# Altium PCB GPRS-ADM2483-V1.0_______中科院TF卡.PcbDoc (part 2 of 3) (continued)
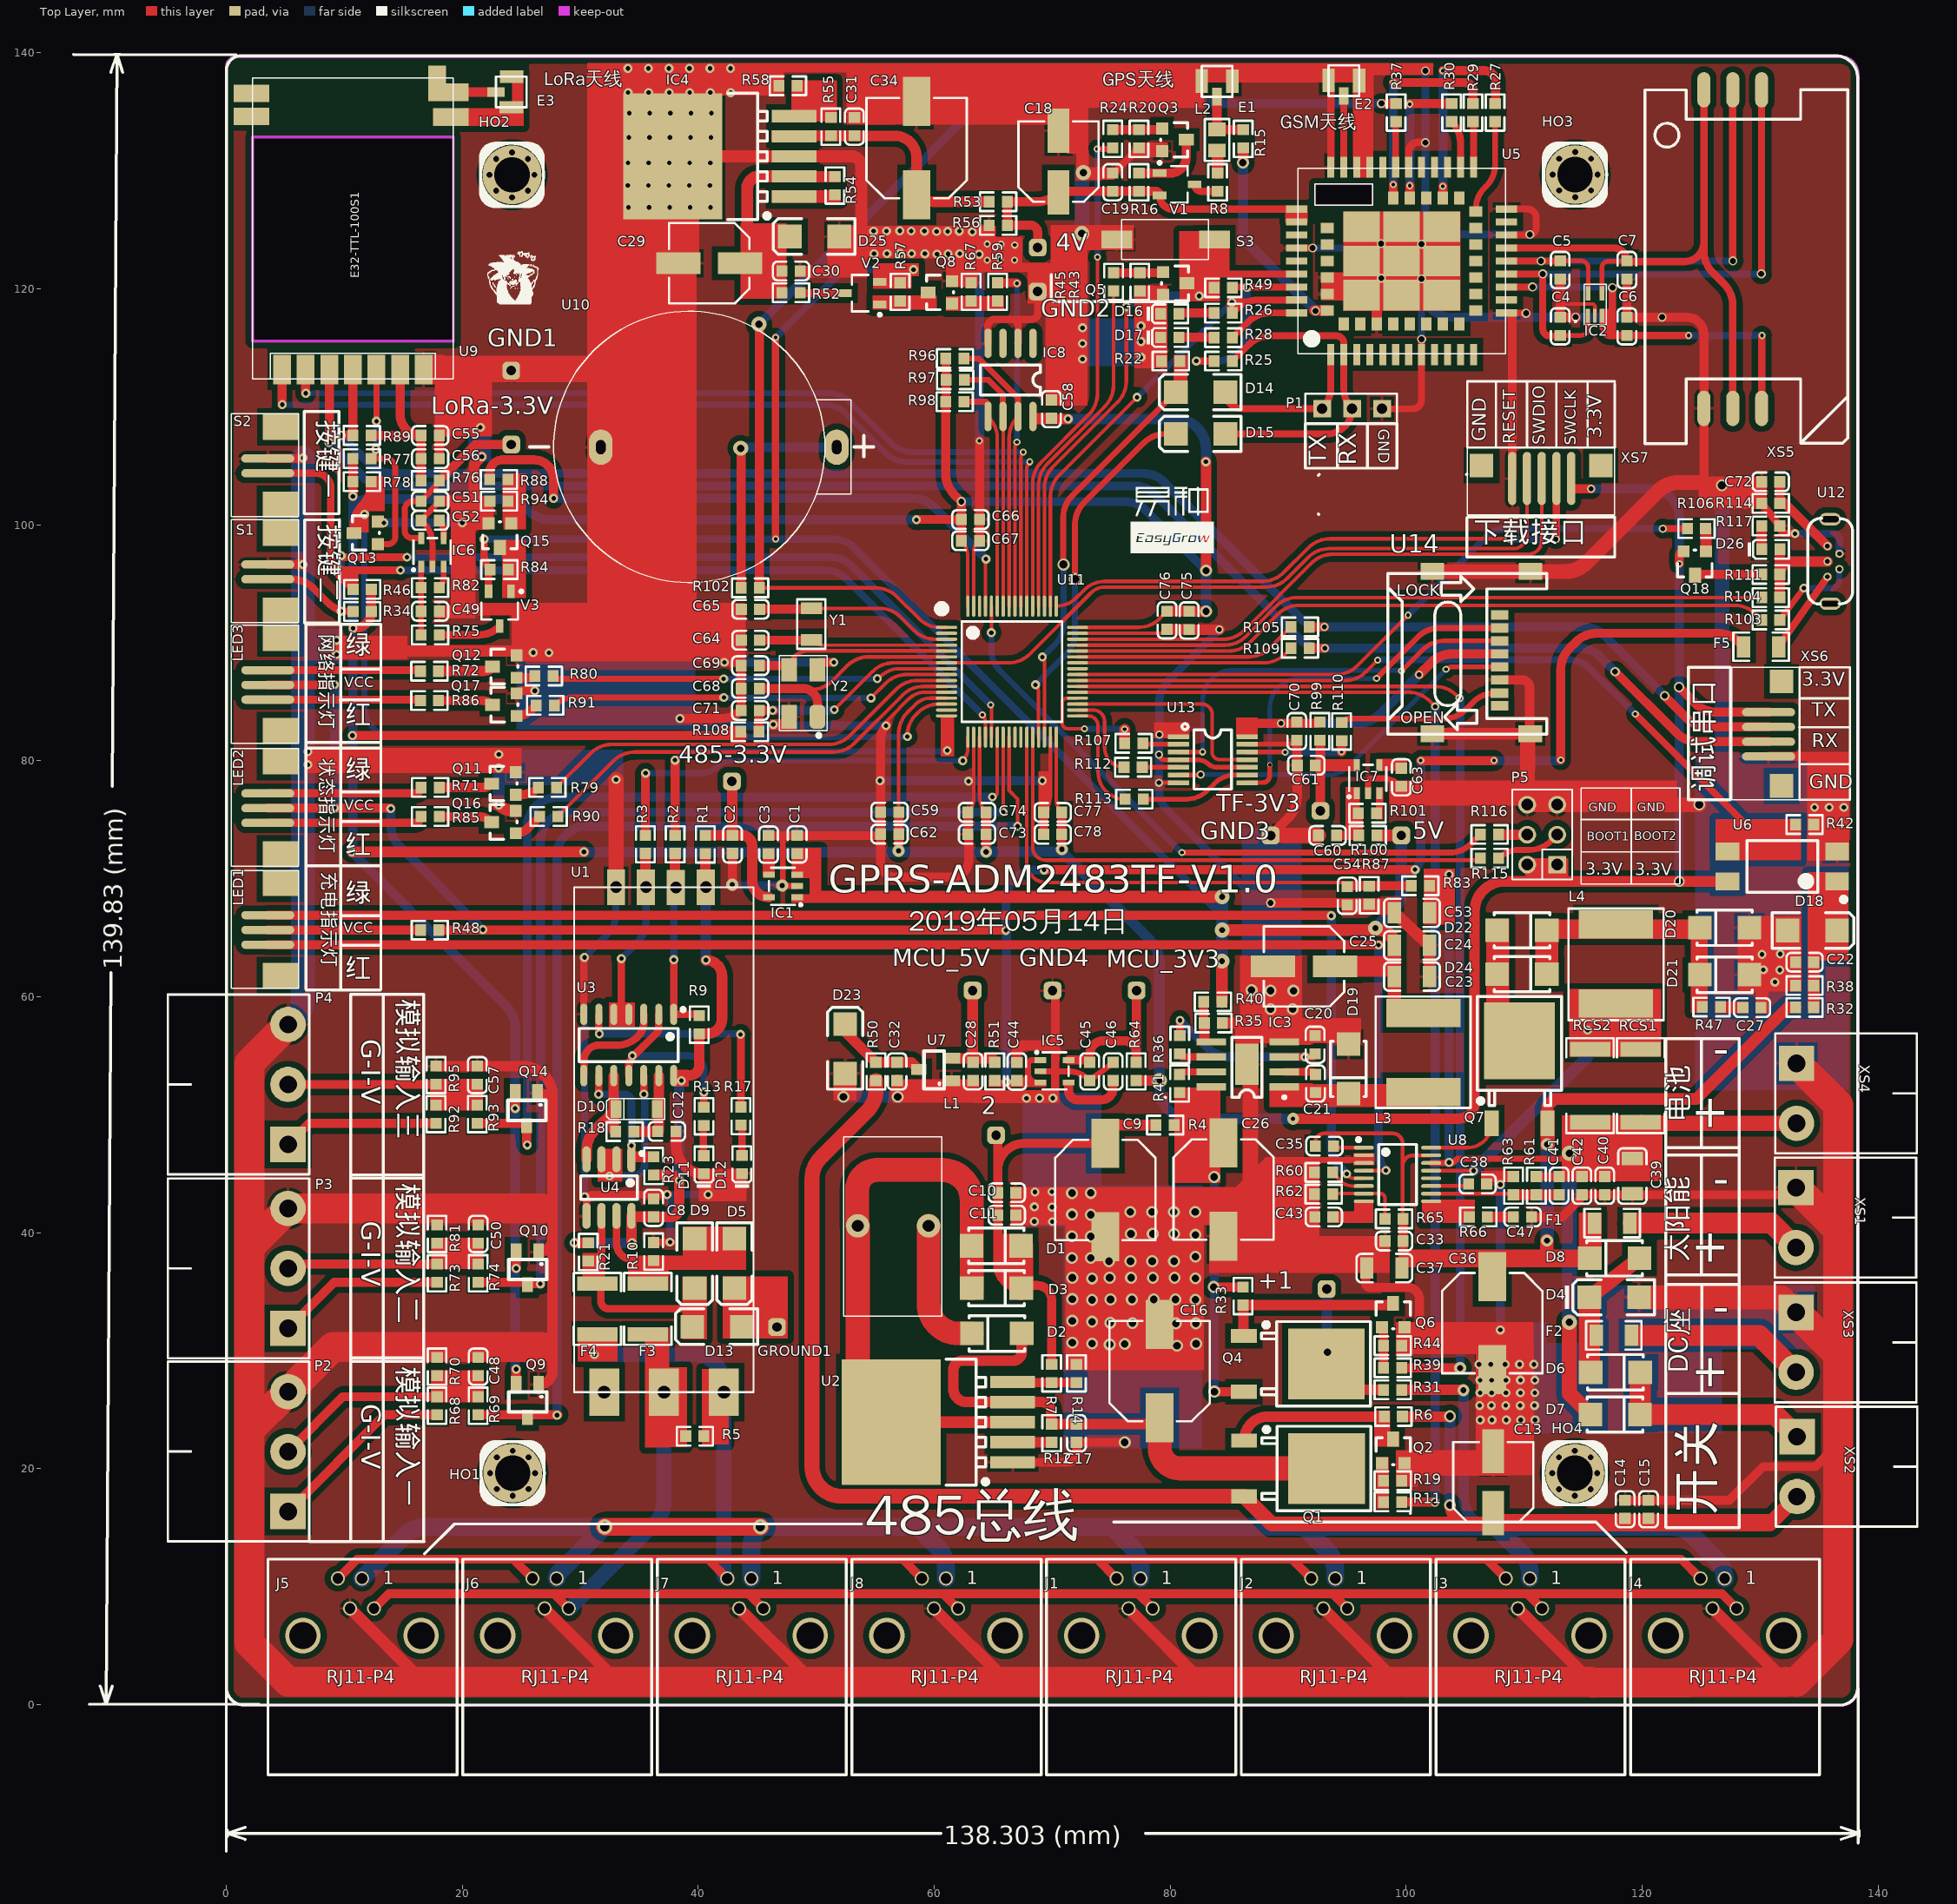
[diagram p0: Top Layer view]
## Nets (pads, with @x,y where several pads share a name; then routed paths per layer and width w, separated by ;. In a path a pad name is that pad's centre, name@x,y a point inside that pad or via, vN(x,y) a via of type N, cw(c..) or ccw(c..) an arc to the next point about the centre after c; other vN are vias at no path point) (continued)
  Top Layer w0.305: 55.538,82.268 cw(c58.041,81.835) 56.245,83.631 57.842,85.228 cw(c59.208,83.863) 59.208,85.794 U11.12@61.049,85.794 ; C74.1@62.861,75.619 ccw(c61.684,76.796) 63.349,76.796 U11.18@63.349,81.994 ; U11.63@63.349,93.094 63.349,97.619 cw(c64.854,97.619) C67.1@63.79,98.683 ; C77.2@69.278,75.613 ccw(c67.9,76.991) 69.849,76.991 U11.31@69.849,81.994 ; U11.47@72.149,90.794 C76.2@79.738,90.794 ; 113.058,118.717 113.058,118.705 115.775,118.705 cw(c115.775,118.475) 116.006,118.475 IC2.2@116.006,117.713
  Top Layer w0.4: v6(79.041,78.136) U13.7@80.721,78.136 ; v6(79.045,80.518) ccw(c79.477,80.518) 79.477,80.086 U13.4@80.721,80.086 82.246,80.086 cw(c82.246,78.544) 83.1,79.829 cw(c82.246,78.544) 83.337,79.635 ccw(c84.017,80.701) 84.017,79.436 U13.10@86.512,79.436 ; U13.13@86.512,81.386 89.924,81.386 ccw(c89.924,82.536) C70.2@90.736,81.723
  Top Layer w0.5: IC7.2@96.774,77.241 96.774,78.105 cw(c97.18,78.105) 97.18,78.511 97.918,78.511 cw(c97.918,76.143) C63.1@99.593,77.818
  Top Layer w0.508: IC6.2@17.47,96.466 17.47,98.352 ccw(c14.93,98.352) 16.726,100.148 C52.1@16.51,100.364 C51.1@18.05,101.949 ; 47.254,73.652 ccw(c47.254,73.571) 47.173,73.571 47.173,69.914 ccw(c47.707,69.914) 47.707,69.38 IC1.2@48.388,69.38 ; IC5.2@68.995,53.672 71.345,53.672 cw(c71.345,51.132) 73.141,52.928 C45.1@73.182,52.887 C46.1@75.173,54.427 ; C26.2@84.529,39.696 84.529,42.477 88.207,46.155 96.327,46.155 ; IC3.4@89.677,56.165 91.767,56.165 ccw(c91.767,56.691) C20.2@92.292,56.691
  Top Layer w0.584: U3.7@30.307,58.502 v1@30.307,63.237 ; U5.37@90.717,123.451 v4@92.154,123.451 ; P1.1@97.96,109.836 ccw(c97.982,109.836) 97.982,109.815 100.547,109.815 ccw(c100.547,110.585) 101.317,110.585 U5.8@101.317,114.401 v4(101.317,115.722) ; U5.19@108.517,124.551 110.418,124.551 ccw(c110.418,125.156) 111.022,125.156 111.022,126.011 ccw(c110.282,126.011) 110.282,126.751 U5.21@108.517,126.751 ; U5.13@109.055,117.951 110.128,117.951 cw(c110.128,117.918) v4(110.162,117.918)
  Top Layer w0.635: U4.5@30.532,41.413 30.532,42.621 cw(c31.144,42.621) 31.144,43.233 37.466,43.233 ccw(c37.466,43.268) v1@37.482,43.236 ; R10.1@36.217,39.159 v1@37.69,39.159 ; IC4.0@37.834,131.222 ccw(c37.834,133.073) IC4.0@39.686,133.073 ; IC8.4@64.561,115.37 64.561,116.836 cw(c65.127,116.836) 65.127,117.402 66.543,117.402 ; IC8.2@67.101,115.37 67.112,115.37 67.112,116.833 ccw(c66.543,116.833) 66.543,117.402 ; GND2.1@68.77,119.765 68.784,119.765 68.784,117.924 cw(c68.262,117.924) 68.262,117.402 66.543,117.402 ; C19.1@75.134,129.795 ccw(c75.134,129.984) 75.267,129.851 R20.2@77.357,131.94 ; E2.1@93.342,137.291 cw(c93.342,137.017) 93.617,137.017 U5.33@93.617,130.301 ; U5.31@95.817,130.301 95.817,137.141 cw(c95.942,137.141) 95.942,137.266 cw(c95.942,136.291) 96.917,136.291 U5.30@96.917,130.301 ; U5.27@100.217,130.301 100.217,131.587 cw(c101.057,131.587) 101.057,132.427 v4@101.632,132.427 ; R114.1@130.136,101.815 R117.2@131.676,99.895 ccw(c132.329,99.895) 132.329,99.242 v1(132.962,99.242)
  Top Layer w0.762: S1.1@3.516,96.628 6.502,96.628 v1(6.505,96.625) ; S2.1@3.516,105.612 6.456,105.612 v1(6.505,105.661) ; U9.7@16.729,113.16 U9.7@17.306,112.583 ; C56.2@18.05,105.6 C55.2@18.05,107.564 18.05,112.15 ; Q17.2@24.603,85.696 cw(c25.163,85.136) 25.163,85.928 v1(26.152,85.928) ; v1(38.447,83.571) 41.993,83.571 ccw(c41.993,85.899) C71.2@43.639,84.253 C69.2@43.639,88.331 ; v1(42.212,88.331) C69.2@43.639,88.331 ; C2.1@42.906,72.134 42.906,69.339 ccw(c42.946,69.339) v9@42.946,69.3 ; C65.2@43.662,92.833 ccw(c43.717,92.778) 43.639,92.778 C69.2@43.639,88.331 ; C3.1@46.016,73.652 47.254,73.652 55.146,73.652 ccw(c55.146,74.083) C62.2@55.451,73.779 ; Y2.2@50.284,88.331 v1(51.498,88.331) ; v1@56.027,83.079 ccw(c57.418,81.688) 55.538,82.268 ccw(c57.418,81.688) 55.451,81.688 C62.2@55.451,73.779 ; C74.1@62.861,75.619 C73.1@62.861,73.762 cw(c62.861,73.708) 62.915,73.708 62.915,71.506 cw(c61.534,71.506) 61.534,70.125 56.683,70.125 cw(c56.683,71.357) 55.451,71.357 C62.2@55.451,73.779 ; C67.1@63.839,98.634 C66.1@63.839,100.441 v3(63.839,107.112) ; U2.1@66.651,20.53 71.278,20.53 ccw(c71.278,21.343) 72.09,21.343 72.09,22.196 ccw(c72.061,22.196) C17.1@72.061,22.225 v2@76.156,22.225 ; C78.2@69.278,73.756 C77.2@69.278,75.613 ; GND4.1@70.032,60.512 cw(c70.032,60.266) 70.277,60.266 70.277,55.473 70.277,54.707 ; C26.2@84.529,39.696 84.946,39.28 96.62,39.28 ; R60.1@92.24,45.097 92.24,41.336 C43.1@92.255,41.321 ; C33.2@98.21,39.28 96.62,39.28 ; 101.13,31.423 101.13,34.347 ccw(c100.128,34.347) 100.128,35.349 96.953,35.349 cw(c96.953,35.734) 96.569,35.734 96.569,36.889 cw(c96.67,36.889) C37.2@96.67,36.991 96.67,39.229 96.62,39.28 ; XS7.1@108.996,103.921 U5.13@108.996,117.777 ; C47.1@110.64,41.321 113.219,41.321 115.104,43.205 C40.1@116.834,43.205 132.435,43.205 ccw(c132.435,43.814) XS1.1@133.044,43.814 ; C5.2@113.048,120.816 C5.2@113.058,120.816 113.058,118.717 ; 113.058,118.705 C4.2@113.058,117.579 v4@114.449,117.579 ; C14.1@118.561,17.319 127.4,17.319 130.239,20.158 134.687,20.158 136.209,21.679 ; C7.1@118.712,120.816 C6.1@118.712,117.579 123.82,117.579 cw(c123.82,116.159) 125.24,116.159 XS5.4@125.24,109.859 125.24,103.581 125.24,103.168 cw(c125.171,103.168) 125.171,103.099 ; XS6.4@130.724,80.358 136.469,80.358
  Top Layer w0.8: GND3.1@88.519,73.653 88.526,73.66 90.028,75.162 ccw(c88.232,76.958) 90.772,76.958 C61.1@90.772,79.604 cw(c90.772,79.639) 90.736,79.639 C70.2@90.736,81.723 ; U14.6@107.932,86.846 109.8,86.846 cw(c109.8,86.182) 110.465,86.182 110.465,82.337 ccw(c110.524,82.337) U14.9@110.524,82.277
  Top Layer w0.889: R95.1@17.785,54.115 25.111,54.115 cw(c25.111,51.575) 27.651,51.575 27.651,50.566 ; C51.1@18.044,101.99 20.991,101.99 ; v1@21.657,105.768 20.991,105.101 20.991,101.99 ; Q15.2@22.234,100.106 22.234,101.881 cw(c22.344,101.881) R94.1@22.344,101.99 20.991,101.99 ; Q14.1@26.386,51.832 cw(c26.386,50.566) 27.651,50.566 ; Q9.1@26.464,27.112 ccw(c26.464,28.299) 27.651,28.299 27.651,39.536 ; Q10.1@26.464,38.348 ccw(c26.464,39.536) 27.651,39.536 ; C12.2@38.117,48.576 38.117,47.347 ccw(c40.482,47.347) D11.K@40.482,44.981 43.681,44.981 ccw(c43.681,45.002) D12.K@43.702,45.002 ; C44.1@67.007,54.424 67.007,55.24 cw(c67.625,55.24) 67.625,55.859 69.765,55.859 cw(c69.765,55.325) 70.277,55.473 cw(c69.765,55.325) 70.298,55.325 ; C76.2@79.738,91.13 81.569,91.13 cw(c81.569,91.067) C75.2@81.613,91.111 84.176,91.111 v6(84.164,91.099) ; U5.45@97.517,117.001 97.517,120.512 cw(c97.902,120.512) v4(97.902,120.898) ; R114.1@130.136,101.815 C72.1@130.136,103.639 ; 27.651,39.536 27.651,50.566
  Top Layer w1: U14.12@102.224,82.277 U14.9@110.524,82.277
  Top Layer w1.016: J5.4@10.481,8.142 16.72,1.903 16.774,1.903 ; v1(23.1,76.248) ccw(c24.291,77.439) 24.291,75.755 Q16.2@24.529,75.755 ; J6.4@26.98,8.142 33.219,1.903 33.529,1.903 ; IC4.0@37.834,131.222 IC4.3@48.134,131.222 52.981,131.222 cw(c52.981,130.395) 53.808,130.395 53.808,124.132 ; J7.4@43.479,8.142 49.719,1.903 49.846,1.903 ; C32.1@56.849,52.887 56.849,51.565 v2(56.906,51.508) ; J8.4@59.978,8.142 66.218,1.903 66.329,1.903 ; J1.4@76.477,8.142 82.717,1.903 83.294,1.903 ; J2.4@92.976,8.142 99.216,1.903 99.801,1.903 ; C53.1@99.005,67.098 C24.1@101.985,64.341 C23.1@101.985,61.699 ; J3.4@109.475,8.142 115.715,1.903 115.866,1.846 ; J4.4@125.975,8.142 132.214,1.903 133.079,1.903
  Top Layer w1.27: U1.4@33.034,69.273 v1(33.034,78.398) ; GND3.1@88.526,73.66 C60.2@92.575,73.66 ; U14.11@102.224,96.037 U14.10@110.532,96.037 113.502,96.037 ccw(c113.502,98.577) 115.298,96.781 121.354,102.837 cw(c123.15,101.041) 123.15,103.581 125.24,103.581 ; 109.453,77.074 P5.6@110.262,76.264 ; U14.9@110.312,82.118 P5.6@110.262,76.264 ; v15(124.836,76.264) P5.5@112.802,76.264 P5.6@110.262,76.264 ; v15@126.289,103.353 cw(c126.289,102.87) v15@126.771,102.87 ; v15(126.771,103.322) cw(c126.797,103.322) v15@126.797,103.347
  Top Layer w2.032: D4.1@119.735,34.511 131.786,34.511 XS3.1@133.063,33.234
  Top Layer w2.54: P4.3@5.23,57.638 1.964,54.372 1.964,38.774 ; 16.72,1.903 5.243,1.903 1.964,5.181 1.964,23.255 ; 16.774,1.903 33.219,1.903 ; 26.735,30.314 9.023,30.314 P2.3@5.23,26.521 1.964,23.255 ; 26.772,42.041 P3.3@5.23,42.041 1.964,38.774 ; 33.529,1.903 49.719,1.903 ; 49.846,1.903 66.218,1.903 ; 66.329,1.903 82.717,1.903 ; 83.294,1.903 99.216,1.903 ; 99.801,1.903 115.715,1.903 ; 115.866,1.846 132.214,1.903 ; XS1.1@133.044,43.814 136.615,40.244 ; XS3.1@133.063,33.234 136.615,29.682 ; 133.079,1.903 136.615,5.439 136.615,29.682 ; XS4.1@133.097,54.343 136.615,50.825 136.615,40.244 ; 1.964,23.255 1.964,38.774 ; 136.615,29.682 136.615,40.244
  Bottom Layer w0.584: v1@30.359,42.955 v1(30.359,63.327) 32.29,65.257 ccw(c30.494,67.053) 33.034,67.053 U1.4@33.034,69.273 ; v4(92.073,123.455) 97.521,123.455 ccw(c97.521,123.82) v4(97.887,123.82) ; v4(101.317,115.722) 101.317,119.978
  Bottom Layer w0.635: v1(37.609,39.193) 37.609,42.972 ccw(c37.36,42.972) v1(37.36,43.221) 40.839,43.221 ccw(c40.839,43.245) v1@40.863,43.245 ; v4(101.312,123.773) cw(c102.131,123.773) 101.632,124.422 ; v4(101.633,138.476) v4(101.632,132.382) 101.632,124.422 ; v4(110.486,124.592) 102.131,124.592 ccw(c102.131,123.773) 101.632,124.422 ; v1(132.962,99.242) 132.962,99.258 136.163,99.258 cw(c136.163,98.701) 136.72,98.701 U12.4@136.72,97.536
  Bottom Layer w0.7: v6@79.045,78.136 79.045,77.557 ccw(c81.585,77.557) 79.789,75.761 87.775,67.775 cw(c85.979,65.978) 88.519,65.978 88.519,65.634 ; v6@79.045,78.156 v6(79.045,80.518) v6@79.045,82.229 ; v6(79.077,82.22) 79.077,84.96 cw(c81.617,84.96) 79.82,86.756 v6(84.164,91.099)
  Bottom Layer w0.762: v1(13.361,100.16) v1(20.007,100.16) ; 38.946,82.957 v1(55.918,82.957) ; v1(42.212,88.331) v1(51.498,88.331) ; v9(42.883,69.484) ccw(c42.956,69.484) 42.956,69.411 v9(47.117,69.411) ; v1(55.407,78.303) v1(69.164,78.303) ; v3(63.839,107.112) v1@63.839,122.925 ; v4(101.312,120.835) 101.312,120.128 ccw(c103.852,120.128) 101.317,119.978 ccw(c103.852,120.128) 103.852,117.588 v4(114.377,117.588) v4(121.693,117.588) ; v1(107.981,31.748) v1(107.981,44.074)
  Bottom Layer w1.016: v1(23.1,76.248) v1@23.1,80.531 ; v2(52.311,51.508) v2(56.906,51.508) ; v2(76.156,22.225) v2(76.156,30.563)
  Bottom Layer w1.27: v7(72.516,124.681) 72.516,129.536 cw(c72.939,129.536) v7(72.64,129.835) ; v2(88.519,60.503) 88.519,65.634 ; 88.519,65.978 v11(88.519,67.945) GND3.1@88.519,73.653 ; 126.771,77.775 v15(126.771,103.322)
  Bottom Layer w2.032: P4.3@5.23,57.638 5.761,58.169 ccw(c3.965,59.965) 6.505,59.965 v1(6.505,96.625) v1(6.505,105.661)
  other v1: 106.285,24.121 107.274,24.121 108.493,24.121 109.713,24.121 110.932,24.121 106.24,25.344 107.229,25.344 108.448,25.344 109.667,25.344 110.886,25.344 106.262,26.419 107.251,26.419 108.47,26.419 109.69,26.419 110.909,26.419 106.262,27.495 107.251,27.495 108.47,27.495 109.69,27.495 110.909,27.495 106.184,28.832 107.173,28.832 108.393,28.832 109.612,28.832 110.831,28.832 70.019,40.918 68.486,40.945 69.992,42.153 68.499,42.18 30.379,43.057 40.84,43.22 68.54,43.443 69.979,43.456 67.821,51.383 68.934,51.397 70.06,51.396 131.258,61.232 131.67,62.256 130.281,62.27 130.162,63.584 131.713,63.622 134.623,76.042 135.864,76.042 137.106,76.042 62.909,78.255 23.086,79.381 6.918,79.657 23.1,80.531 6.918,80.771 46.359,83.061 9.338,88.995 27.354,89.14 26.012,89.169 9.338,90.204 21.658,105.768 21.542,108.248 72.567,114.025 77.534,114.189 72.567,115.356 77.534,115.519 72.567,116.686 77.534,116.85 63.809,122.925 60.239,122.938 61.174,122.951 54.903,122.965 55.998,122.979 58.092,122.979 59.213,122.965 62.166,122.97 57.119,122.992 63.233,124.817 60.202,124.851 61.137,124.864 54.866,124.878 55.961,124.891 58.055,124.891 59.176,124.878 62.129,124.883 57.082,124.905 34.093,126.901 35.833,126.901 37.573,126.901 39.312,126.901 41.052,126.901 34.028,128.766 35.768,128.766 37.507,128.766 39.247,128.766 40.986,128.766 34.061,130.664 35.8,130.664 37.54,130.664 39.279,130.664 41.019,130.664 34.126,132.824 35.866,132.824 37.605,132.824 39.345,132.824 41.085,132.824 34.159,134.886 35.898,134.886 37.638,134.886 39.378,134.886 41.117,134.886 34.061,136.621 35.8,136.621 37.54,136.621 39.279,136.621 41.019,136.621 42.759,136.621 34.042,138.68 35.782,138.68 37.521,138.68 39.261,138.68 41.001,138.68 42.74,138.68
  other v2: 80.583,30.411 74.881,30.51 82.197,30.576 73.386,30.601 71.708,30.673 80.492,32.3 82.179,32.3 76.807,32.33 74.924,32.352 73.386,32.446 71.708,32.518 73.386,34.291 82.137,34.307 74.944,34.331 76.758,34.331 78.603,34.331 80.448,34.331 71.708,34.363 73.386,36.105 82.137,36.12 71.708,36.177 74.872,36.177 76.686,36.177 78.531,36.177 80.376,36.177 74.825,37.567 76.638,37.567 78.483,37.567 80.328,37.567 71.681,37.847 73.266,37.855 82.137,37.965 73.266,39.668 71.681,39.692 82.137,39.81 76.68,39.893 78.525,39.893 80.339,39.893 73.266,41.513 71.681,41.537 76.624,41.753 78.47,41.753 80.315,41.753 82.128,41.753 71.681,43.351 73.266,43.358 88.519,58.94 90.385,58.94 90.452,60.499 86.901,60.549
  other v3: 64.48,122.434 66.818,122.434 65.598,122.478 66.832,123.698 65.67,123.771 64.494,123.799
GNSS_EN: R27.2 U5.59 | length 17.7
  Top Layer w0.762: U5.59@103.117,127.701 v3(103.117,128.671) ; v3(103.117,138.482) 106.66,138.482 cw(c106.66,137.559) 107.583,137.559 107.583,135.747 cw(c107.541,135.747) R27.2@107.541,135.706
  Bottom Layer w0.762: v3(103.117,128.671) v3(103.117,138.482)
GPRS_PWR_EN: R59.1 U11.56 | length 29.1
  Top Layer w0.305: U11.56@66.849,93.094 66.849,106.593 cw(c67.413,106.593) v3(67.014,106.991)
  Top Layer w0.762: R59.1@65.369,120.506 66.889,120.506 cw(c66.889,120.329) v3(67.014,120.454)
  Bottom Layer w0.508: v3(67.014,106.991) v3@67.014,120.454
GPRS_PWRKEY: R45.1 U11.52 | length 29.1
  Top Layer w0.305: U11.52@68.849,93.094 68.849,103.365 cw(c71.389,103.365) 69.593,105.161 74.456,110.024 ccw(c72.66,111.82) 75.2,111.82 R45.1@75.2,119.813
GPRS_RST: Q5.3 R49.2 S3.2 U5.39 U11.51 | length 48
  Top Layer w0.305: U11.51@69.349,93.094 69.349,103.146 cw(c71.889,103.146) 70.093,104.942 75.551,110.4 ccw(c73.755,112.196) 76.295,112.196 v1(76.295,118.477)
  Top Layer w0.584: Q5.3@81.43,120.468 81.47,120.507 cw(c83.266,118.711) 83.266,121.251 83.771,121.251 ; R49.2@83.737,120.077 ccw(c83.737,120.11) 83.771,120.11 83.771,121.251 ; S3.2@83.771,124.164 83.771,121.251 ; U5.39@90.717,121.251 83.771,121.251
  Bottom Layer w0.762: v1(76.295,118.477) 76.475,118.657 cw(c78.271,116.861) 78.271,119.401 v1@82.365,119.401
  other v1: 82.463,119.38
GPRS_RX: D14.2 R22.2 U11.30 | length 33.9
  Top Layer w0.305: v1@69.188,88.897 cw(c68.801,88.509) 69.349,88.509 U11.30@69.349,81.994
  Top Layer w0.508: v16(70.968,96.628) cw(c71.029,96.689) 70.942,96.689 70.942,100.648 cw(c73.482,100.648) 71.686,102.444 D14.2@80.484,111.242
  Bottom Layer w0.508: v1(69.17,88.784) 70.224,89.837 ccw(c68.428,91.634) 70.968,91.634 v16(70.968,96.628)
GPRS_TX: D15.2 U11.29 | length 31.5
  Top Layer w0.305: v1(68.584,86.43) cw(c67.946,85.791) 68.849,85.791 U11.29@68.849,81.994
  Top Layer w0.508: v16(71.933,95.392) 71.933,100.04 cw(c74.473,100.04) 72.677,101.836 77.792,106.951 cw(c79.588,105.155) 79.588,107.695 D15.2@80.484,107.695
  Bottom Layer w0.508: v1(68.584,86.43) 71.189,89.035 ccw(c69.393,90.831) 71.933,90.831 v16(71.933,95.392)
GPS_RXD: R29.1 U5.22 | length 3.9
  Top Layer w0.601: R29.1@105.671,134.166 cw(c105.563,134.057) 105.717,134.057 U5.22@105.717,130.301
GPS_TXD: R30.1 U5.23 | length 4.1
  Top Layer w0.601: R30.1@103.856,134.166 103.873,134.149 cw(c102.077,132.353) 104.617,132.353 U5.23@104.617,130.301
GROUND: D5.2 D13.1 GROUND1.1
I1: Q9.3 R69.2 U11.24 | length 102.5
  Top Layer w0.305: U11.24@66.349,81.994 66.349,77.471 67.067,76.754 v1(67.067,74.445)
  Top Layer w0.762: R69.2@21.354,24.548 v1@28.1,24.548
  Bottom Layer w0.762: v1(28.027,24.525) 28.027,71.925 cw(c30.547,71.925) 30.547,74.445 v1(67.067,74.445)
I2: Q10.3 R74.2 U11.23 | length 89.8
  Top Layer w0.305: U11.23@65.849,81.994 65.849,75.631 v1(65.858,75.631)
  Top Layer w0.762: R74.2@21.354,35.784 25.396,35.784 cw(c25.396,35.656) 25.524,35.656 26.532,35.656 v1@26.532,35.66
  Bottom Layer w0.762: v1(26.623,35.649) 26.623,73.13 cw(c29.124,73.13) 29.124,75.631 v1(65.858,75.631) ccw(c65.858,75.651) v1@65.878,75.651
I3: Q14.3 R93.2 U11.22 | length 79.1
  Top Layer w0.305: v1(64.937,76.928) ccw(c64.937,77.341) 65.349,77.341 U11.22@65.349,81.994
  Top Layer w0.762: R93.2@21.275,49.268 25.317,49.268 cw(c25.317,49.139) 25.446,49.139 25.446,47.59 ccw(c25.671,47.59) v1(25.512,47.431)
  Bottom Layer w0.762: v1(25.512,47.431) 25.512,74.356 cw(c28.052,74.356) 28.052,76.896 v1@64.937,76.896
IIN1: C48.2 P2.2 R68.2 R69.1 R70.2 | length 14.6
  Top Layer w0.762: P2.2@5.23,21.441 9.877,26.088 R68.2@17.863,26.088
IIN2: C50.2 P3.2 R73.2 R74.1 R81.2 | length 12.8
  Top Layer w0.762: P3.2@5.23,36.961 5.594,37.324 R73.2@17.863,37.324
IIN3: C57.2 P4.2 R92.2 R93.1 R95.2 | length 16.1
  Top Layer w0.762: P4.2@5.23,52.558 21.275,52.558 C57.2@21.275,52.575
K1: R46.2 S2.2 U11.20 | length 78.3
  Top Layer w0.305: v3(64.079,83.876) cw(c63.428,83.225) 64.349,83.225 U11.20@64.349,81.994
  Top Layer w0.635: S2.2@3.516,104.362 7.628,104.362 cw(c7.628,103.142) 8.848,103.142 8.848,97.468 ; R46.2@10.75,94.514 9.592,95.672 cw(c11.388,97.468) 8.848,97.468 ; v1(14.764,96.136) 10.179,96.137 cw(c10.179,97.468) 8.848,97.468 ; v3(64.079,83.876) ccw(c64.11,83.906) v3@64.11,83.863
  Bottom Layer w0.635: v1(14.764,96.136) 50.767,96.136 cw(c50.767,93.596) 52.563,95.392 v3(64.079,83.876)
K2: R34.2 S1.2 U11.21 | length 75.8
  Top Layer w0.305: U11.21@64.849,81.994 v3@64.849,84.731
  Top Layer w0.635: S1.2@3.516,95.378 5.56,95.378 cw(c5.56,92.838) 7.356,94.634 8.604,93.386 ccw(c10.4,95.182) 10.4,92.642 R34.2@10.75,92.642 ; v1(9.727,97.373) ccw(c10.048,97.694) 10.048,97.24 v1(15.314,97.239)
  Bottom Layer w0.635: v1(9.727,92.669) v1(9.727,97.373) cw(c9.777,97.373) v1@9.741,97.409 ; v1(15.314,97.239) 51.238,97.239 cw(c51.238,94.699) 53.034,96.495 64.795,84.734 v3(64.795,84.731)
LED1: R79.1 U11.10 | length 36.5
  Top Layer w0.305: R79.1@27.983,77.726 30.883,80.625 cw(c32.679,78.829) 32.679,81.369 51.045,81.369 ccw(c51.045,83.909) 52.841,82.113 56.778,86.05 cw(c58.574,84.254) 58.574,86.794 U11.10@61.049,86.794
LED2: R90.1 U11.11 | length 37.2
  Top Layer w0.305: R90.1@28.097,75.263 32.819,79.984 cw(c34.615,78.188) 34.615,80.728 51.432,80.728 ccw(c51.432,83.268) 53.228,81.472 57.306,85.55 cw(c59.102,83.754) 59.102,86.294 U11.11@61.049,86.294
LED3: R80.1 U11.8 | length 33.3
  Top Layer w0.305: v1@55.439,87.123 cw(c57.059,85.504) 57.059,87.794 U11.8@61.049,87.794
  Top Layer w0.508: R80.1@27.693,87.171 ccw(c28.25,87.729) 28.25,86.941 v1(42.154,86.941)
  Bottom Layer w0.508: v1@42.154,86.95 v1(55.179,86.95)
LED4: R91.1 U11.9 | length 34.2
  Top Layer w0.305: v1(54.64,85.31) 55.88,86.55 cw(c57.676,84.754) 57.676,87.294 U11.9@61.049,87.294
  Top Layer w0.508: R91.1@27.8,84.683 cw(c29.43,83.053) 29.43,85.358 v1(42.178,85.358)
  Bottom Layer w0.508: v1@42.08,85.31 v1(54.64,85.31)
LoRa_AUX: Q13.3 R78.1 U11.14 | length 73.4
  Top Layer w0.305: v1(57.725,82.043) 57.725,82.12 cw(c60.265,82.12) 58.469,83.916 58.603,84.05 cw(c60.4,82.254) 60.4,84.794 U11.14@61.049,84.794
  Top Layer w0.762: Q13.3@10.821,99.287 10.821,99.879 cw(c13.221,99.879) 11.524,101.576 ccw(c9.728,103.372) 12.268,103.372 R78.1@12.268,103.647
  Bottom Layer w0.508: v1(11.71,100.873) 11.716,100.867 11.716,84.549 ccw(c14.256,84.549) 14.256,82.009 v1@57.725,82.009
LoRa_M0: U9.1 U11.54 | length 80.4
  Top Layer w0.305: U11.54@67.849,93.094 67.849,104.732 cw(c68.69,104.732) v3@68.095,105.327
  Top Layer w0.762: v1@4.729,110.178 U9.1@4.729,113.16
  Bottom Layer w0.508: v1(4.747,110.178) 32.619,110.178 cw(c32.619,110.13) 32.653,110.164 50.734,110.164 cw(c50.734,107.624) 52.53,109.42 55.88,106.071 ccw(c57.676,107.867) 57.676,105.327 v3(68.095,105.327)
LoRa_M1: U9.2 U11.55 | length 77.8
  Top Layer w0.305: U11.55@67.349,93.094 67.349,105.672 cw(c68.02,105.672) v3(67.546,106.147)
  Top Layer w0.762: v1@6.729,111.142 U9.2@6.729,113.16
  Bottom Layer w0.508: v1(6.74,111.142) 51.077,111.142 cw(c51.077,108.602) 52.873,110.398 56.381,106.891 ccw(c58.177,108.687) 58.177,106.147 v3(67.546,106.147)
LORA_PWR: R88.1 U11.61 | length 51.6
  Top Layer w0.279: U11.61@64.349,93.094 v1@64.349,96.763
  Top Layer w0.762: R88.1@22.333,103.83 22.333,104.427 cw(c23.401,104.427) 22.482,104.972 cw(c23.401,104.427) 22.856,105.346 cw(c23.401,104.427) 23.401,105.495 26.088,105.495 cw(c26.088,103.836) 26.671,105.39 cw(c26.088,103.836) 27.642,104.418 cw(c26.088,103.836) 27.748,103.836 v1(27.748,102.23)
  Bottom Layer w0.762: v1@27.696,102.209 cw(c27.747,102.158) v1(27.748,102.23) 58.194,102.23 cw(c58.194,99.69) 59.99,101.486 v1(64.389,97.087)
LoRa_RX: R109.2 U9.3 XS6.3 | length 139.5
  Top Layer w0.762: v13@8.729,106.969 U9.3@8.729,113.16 ; R109.2@91.829,89.586 R109.2@91.778,89.535 v6(93.116,89.535) ; v11(117.711,87.546) 117.723,87.546 122.917,82.352 ccw(c124.713,84.148) 124.713,81.608 XS6.3@130.724,81.608
  Bottom Layer w0.762: v13@8.742,106.895 11.609,104.029 ccw(c13.405,105.825) 13.405,103.285 76.969,103.285 cw(c76.969,100.745) 78.765,102.541 91.026,90.279 ccw(c92.822,92.075) 92.822,89.535 v6(93.116,89.535) 114.67,89.535 cw(c114.67,86.995) 116.466,88.791 v11(117.711,87.546)
  other v13: 8.711,106.969
LoRa_TX: R89.2 R105.2 U9.4 XS6.2 | length 138.6
  Top Layer w0.762: v13(9.738,107.562) 9.74,107.564 R89.2@10.728,107.564 10.728,113.159 U9.4@10.729,113.16 ; R105.2@91.778,91.338 v6(93.066,91.338) ; v11@121.907,85.484 123.789,83.602 ccw(c125.585,85.398) 125.585,82.858 XS6.2@130.724,82.858
  Bottom Layer w0.762: v13(9.738,107.562) 12.22,105.08 ccw(c13.977,106.837) 13.977,104.352 77.705,104.352 cw(c77.705,101.812) 79.501,103.608 86.881,96.228 91.052,92.057 ccw(c92.848,93.853) 92.848,91.313 92.873,91.338 v6(93.066,91.338) 115.026,91.338 115.051,91.313 cw(c115.051,88.773) 116.847,90.569 v11(121.92,85.496)
MISO: U11.35 U13.11 | length 18.4
  Top Layer w0.3: U11.35@72.149,84.794 82.683,84.794 cw(c82.683,83.911) 83.566,83.911 83.566,80.696 ccw(c84.176,80.696) 84.176,80.086 U13.11@86.512,80.086
MOSI: R107.1 U11.36 | length 10
  Top Layer w0.3: U11.36@72.149,85.294 71.231,85.294 ccw(c71.231,84.912) 70.849,84.912 70.849,83.2 ccw(c71.346,83.2) 71.346,82.702 v3(72.746,82.702)
  Top Layer w0.9: R107.1@76.141,81.472 v3(76.141,82.666)
  Bottom Layer w0.3: v3@76.105,82.702 cw(c76.105,82.666) v3(76.141,82.666)
  Bottom Layer w0.5: v3(72.746,82.702) v3@76.105,82.702
Net1_1: 485-3.3V.1 C2.2 IC1.5 R1.1 | length 14
  Top Layer w0.889: R1.1@40.606,73.665 40.606,73.674 C2.2@42.906,73.674 ; 485-3.3V.1@42.87,77.955 42.87,73.762 ccw(c42.995,73.762) C2.2@42.906,73.674 ; IC1.5@45.988,68.43 cw(c45.988,69.856) 44.562,69.856 44.562,72.832 ccw(c43.72,72.832) 43.72,73.674 C2.2@42.906,73.674
Net2_1: 2.1 C9.1 C10.2 C11.2 D1.2 D3.2 R4.1 R7.2 | length 40.9
  Top Layer w0.762: 2.1@65.244,48.249 cw(c65.244,48.109) 65.385,48.109 65.385,45.292 ; R7.2@69.955,28.828 69.955,34.295 ccw(c68.722,34.295) 68.722,35.528 67.628,35.528 ccw(c67.628,35.283) D3.2@67.384,35.283 cw(c67.384,37.283) 65.385,37.283 C11.2@65.385,41.472 65.385,45.292 ; C9.1@74.509,47.565 67.657,47.565 ccw(c67.657,45.292) 65.385,45.292
  Top Layer w0.889: C9.1@74.951,49.111 R4.1@78.802,49.111
  Top Layer w2.032: D1.2@67.365,38.883 cw(c67.365,38.864) 67.384,38.864 D3.2@67.384,35.283
Net+1_1: +1.1 Q4.2 R31.1 | length 11.5
  Top Layer w0.889: Q4.2@93.237,28.881 ccw(c95.452,28.881) 95.452,26.667 R31.1@98.095,26.667 ; +1.1@93.237,35.182 cw(c93.268,35.182) +1.1@93.268,35.213
  Bottom Layer w0.889: v7@93.268,29.868 +1.1@93.268,35.213
  other v7: 93.342,29.848
NetC3_2: C3.2 IC1.4
NetC12_1: C12.1 D10.1 R18.2 U3.13 | length 6.8
  Top Layer w0.889: R18.2@34.54,48.559 36.577,48.559 C12.1@36.577,48.576 ccw(c36.577,48.656) 36.657,48.656 U3.13@36.657,53.302
NetC16_1: C16.1 C17.2 D2.1 Q1.2 R12.2 U2.4 | length 47.5
  Top Layer w0.889: D2.1@67.414,31.449 67.421,31.449 67.421,29.853 cw(c66.719,29.853) 66.719,29.151 62.418,29.151 ccw(c62.418,28.361) 61.628,28.361 61.628,26.759 ccw(c62.756,26.759) 62.756,25.63 U2.4@66.651,25.63 69.159,25.63 cw(c69.159,24.868) 69.922,24.868 69.922,23.799 ccw(c69.955,23.799) R12.2@69.955,23.765 C17.2@72.061,23.765 78.565,23.765 ccw(c78.565,24.311) C16.1@79.112,24.311
  Top Layer w2.032: C16.1@79.112,24.311 79.112,21.773 ccw(c80.875,21.773) 80.875,20.009 Q1.2@93.265,20.009
NetC20_1: C20.1 IC3.3 R36.2 | length 15.8
  Top Layer w0.635: R36.2@80.812,56.691 v1@80.812,57.928 ; IC3.3@89.677,54.895 92.037,54.895 ccw(c92.037,55.151) C20.1@92.292,55.151
  Bottom Layer w0.762: v1(80.834,57.985) 83.192,55.626 ccw(c84.989,57.422) 84.989,54.882 v1(91.429,54.882)
NetC21_1: C21.1 IC3.2 | length 2.8
  Top Layer w0.635: IC3.2@89.677,53.625 92.095,53.625 cw(c92.095,53.404) C21.1@92.316,53.404
NetC21_2: C21.2 D19.2 IC3.1 L3.1 | length 2.9
  Top Layer w0.635: IC3.1@89.677,52.355 91.825,52.355 cw(c91.825,51.864) C21.2@92.316,51.864
NetC22_2: C22.2 D18.2 R32.1 R38.2 U6.1 | length 11.8
  Top Layer w1: R32.1@134.545,59.079 134.545,63.604 cw(c136.545,63.604) D18.2@136.539,65.603 ; U6.1@136.539,69.763 D18.2@136.539,65.603 ; D18.2@136.545,65.603 D18.2@136.539,65.603
NetC27_1: C27.1 R47.2
NetC28_2: C28.2 MCU_5V.1 R51.1 U7.2 | length 9.6
  Top Layer w0.889: U7.2@61.458,54.775 C28.2@63.371,54.775 ; MCU_5V.1@63.259,60.41 63.259,54.886 ccw(c63.371,54.886) C28.2@63.371,54.775 ; R51.1@65.134,54.427 ccw(c64.786,54.427) 64.786,54.775 C28.2@63.371,54.775
NetC29_1: C29.1 C30.2 D25.2 IC4.2 R52.2 R54.2 | length 9.4
  Top Layer w1.016: 44.244,123.673 cw(c44.244,123.763) 44.154,123.763 44.154,128.496 cw(c45.18,128.496) 45.18,129.522 IC4.2@48.134,129.522
NetC31_2: C31.2 C34.1 IC4.4 R53.1 R55.2 | length 15.8
  Top Layer w0.889: C31.2@53.237,132.971 ccw(c53.255,132.971) 53.255,132.953 56.673,132.953 cw(c56.673,131.115) 58.511,131.115 C34.1@58.511,127.969 ccw(c59.948,129.406) 59.948,127.373 R53.1@64.653,127.373